# Altium PCB Localization.PcbDoc (continued)
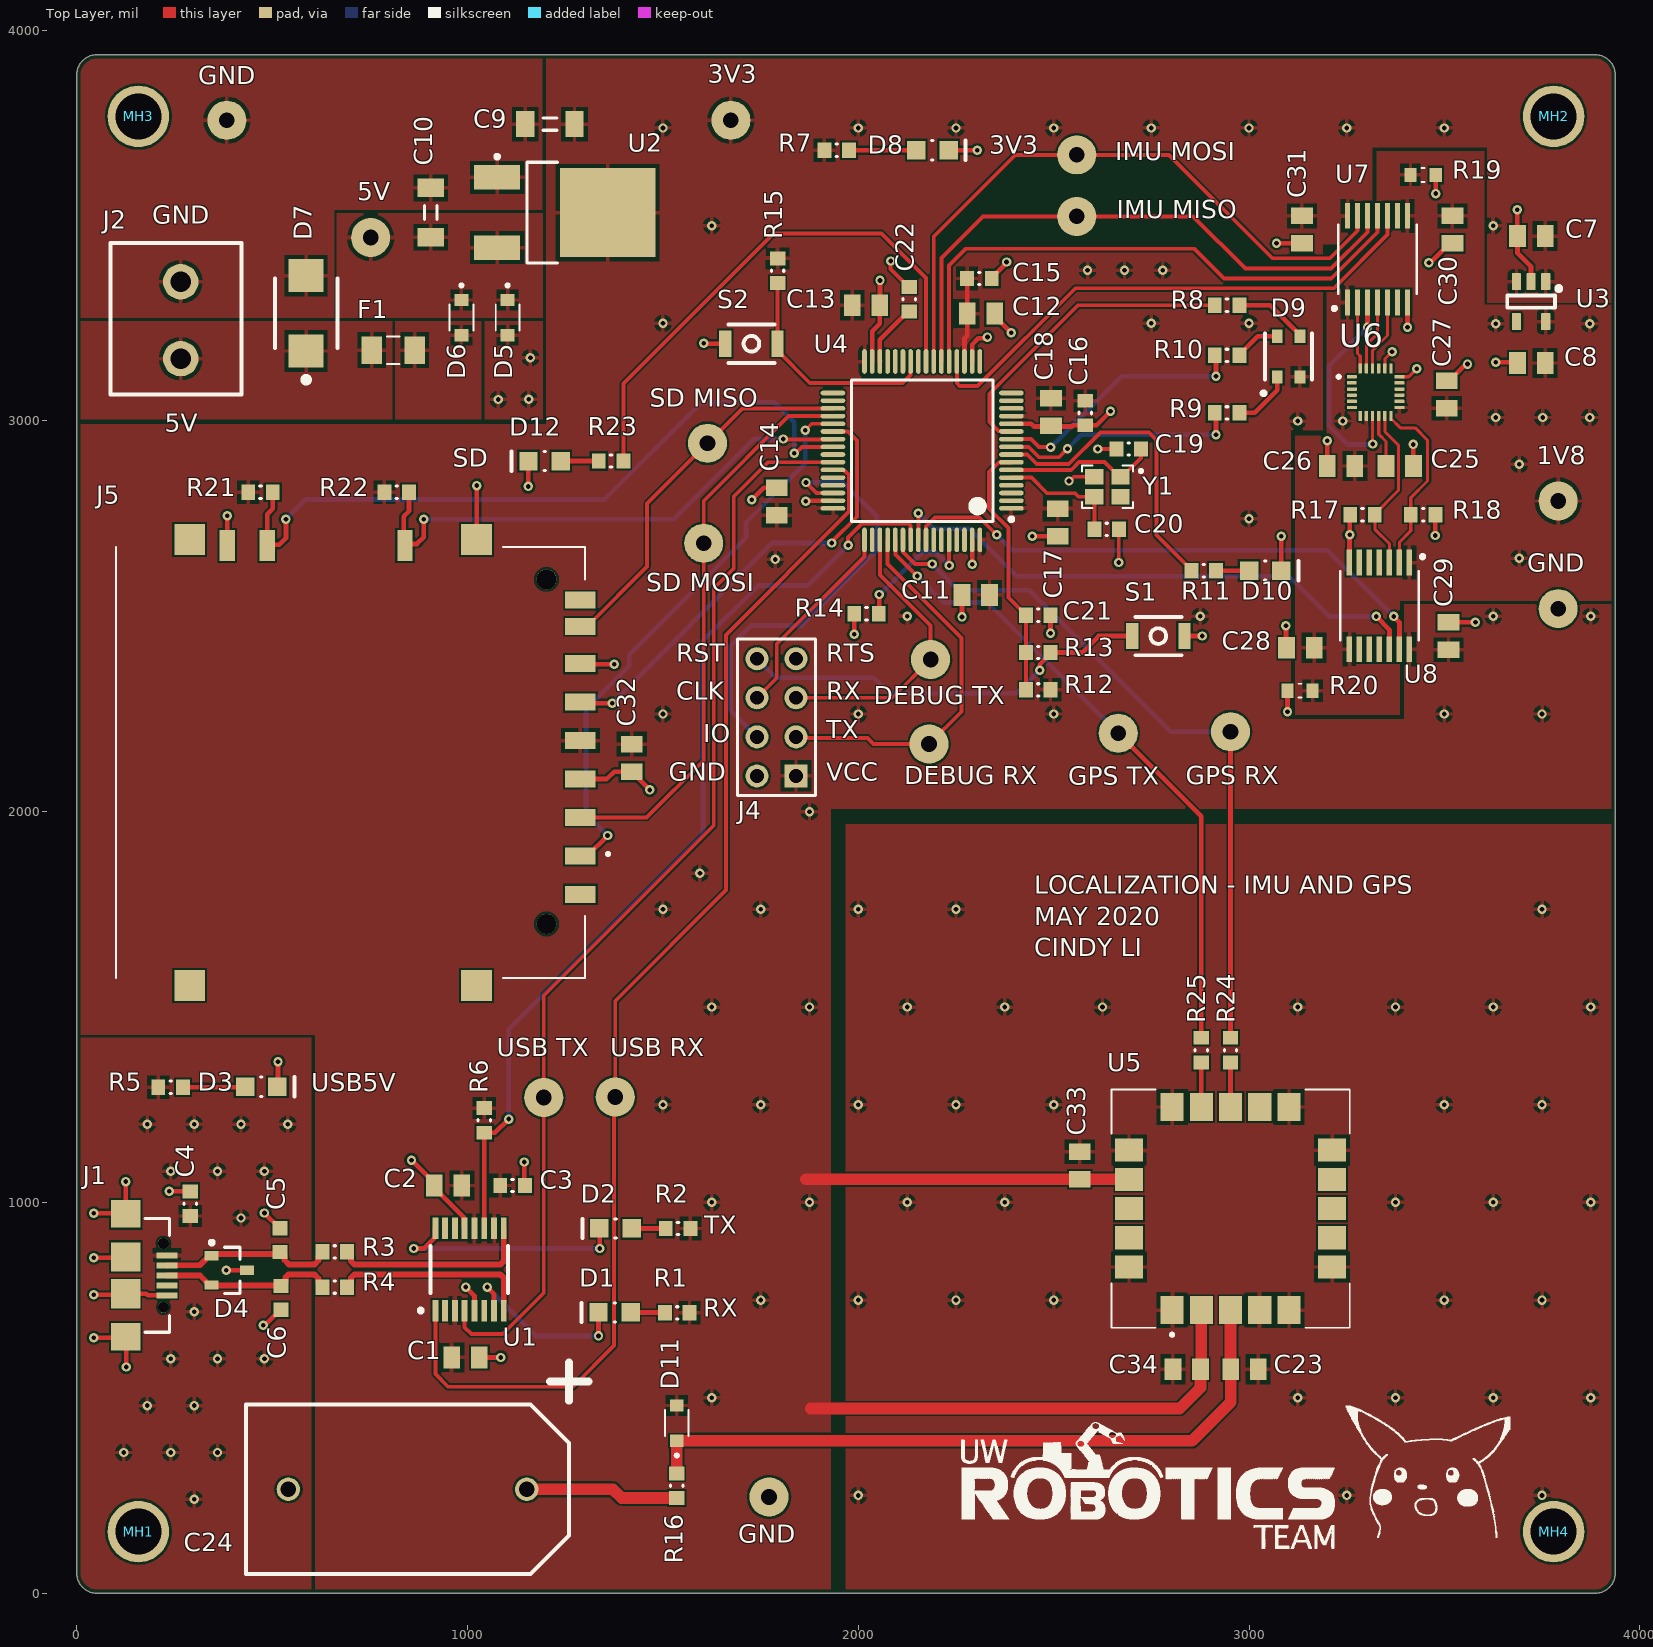
[diagram p0: Top Layer view]
## Part data (continued)
R7 R9 R11 R23 R24 R25: "RES SMD 120 OHM 5% 1/10W 0603", Manufacturer 1=Yageo, Manufacturer Part Number 1=RC0603JR-07120RL, Package="0603 (1608 Metric)", Supplier Part Number 1=311-120GRCT-ND, Tolerance=5%, Dimensions="0.063\" L x 0.031\" W (1.60mm x 0.80mm)", Mount="Surface Mount", Supplier 1=Digi-Key
R8 R10: "RES SMD 20 OHM 5% 1/10W 0603", Manufacturer 1=Yageo, Manufacturer Part Number 1=RC0603JR-0720RL, Package="0603 (1608 Metric)", Supplier Part Number 1=311-20GRCT-ND, Tolerance=5%, Dimensions="0.063\" L x 0.031\" W (1.60mm x 0.80mm)", Mount="Surface Mount", Supplier 1=Digi-Key
R19 R20: "RES SMD 51K OHM 5% 1/10W 0603", Manufacturer 1=Yageo, Manufacturer Part Number 1=RC0603JR-0751KL, Package="0603 (1608 Metric)", Supplier Part Number 1=311-51KGRCT-ND, Tolerance=5%, Dimensions="0.063\" L x 0.031\" W (1.60mm x 0.80mm)", Mount="Surface Mount", Supplier 1=Digi-Key
S1 S2: "Tactile Switch (Grey)", Manufacturer 1="Omron Electronics Inc-EMC Div", Manufacturer Part Number 1=B3U-1100P, Supplier Part Number 1=SW1021CT-ND, Mount="Surface Mount", Supplier 1=Digi-Key
U1: Manufacturer 1="FTDI, Future Technology Devices International Ltd", Manufacturer Part Number 1=FT230XS-R, Supplier Part Number 1=768-1135-1-ND, Supplier 1=Digi-Key
U2: "IC REG LINEAR 3.3V 1A DPAK", Current Output=1A, Manufacturer 1="ON Semiconductor", Manufacturer Part Number 1=NCP1117DT33T5G, Supplier Part Number 1=NCP1117DT33T5GOSCT-ND, Mount="Surface Mount", Supplier 1=Digi-Key
U3: "IC REG LINEAR 1.8V 250MA SOT23-5", Current Output=250mA, Manufacturer 1="Texas Instruments", Manufacturer Part Number 1=LP5907MFX-1.8/NOPB, Supplier Part Number 1=296-41463-1-ND, Mount="Surface Mount", Supplier 1=Digi-Key
U4: library part MCU_STM32F446RET6, "ARM Cortex-M4 32-bit MCU+FPU, 512 KB Flash, 128 KB Internal RAM, 50 I/Os, 64-Pin LQFP, -40 to 85 degC, Tray", I/Os (High Current)=50, Operating Frequency(F) (Processor speed) (MHz)=180, Package Description=LQFP64, Package Reference="64-Pin Low-profile Quad Flat Package, Body 10 x 10 mm, Pitch 0.5 mm", Supplier Part Number 1=497-15376-ND, Supply Voltage(Vcc) min (V)=1.7, ComponentLink1Description="Manufacturer URL", ComponentLink1URL=http://www.st.com/, ComponentLink2Description=Datasheet, ComponentLink2URL=http://www.st.com/st-web-ui/static/active/en/resource/technical/document/datasheet/DM00141306.pdf, Core="ARM Cortex-M4", D/A Converter=2, DatasheetVersion="Rev. 6", FLASH Size (Prog) (kB)=512, Internal RAM Size (kB)=128, Mounting Technology="Surface Mount", Packing=Tray, Supplier 1=Digi-Key
U5: "Rf Rx Galileo 1.575GHZ/1.602GHZ", Case/Package=SMD/SMT, Frequency=1.602GHz, Manufacturer 1=u-blox, Manufacturing Part Number 1=SAM-M8Q-0-10, Max Operating Temperature=85°C, Min Operating Temperature=-40°C, Supplier Part Number 1=672-1054-1-ND, ComponentLink1Description=https://www.u-blox.com/sites/default/files/SAM-M8Q_ProductSummary_%28UBX-15027452%29.pdf?src-supplier=Digi-Key, ComponentLink1URL=https://www.u-blox.com/sites/default/files/SAM-M8Q_ProductSummary_%28UBX-15027452%29.pdf?src-supplier=Digi-Key, ComponentLink2Description=https://www.u-blox.com/sites/default/files/SAM-M8Q_DataSheet_%28UBX-16012619%29.pdf?src-supplier=Digi-Key, ComponentLink2URL=https://www.u-blox.com/sites/default/files/SAM-M8Q_DataSheet_%28UBX-16012619%29.pdf?src-supplier=Digi-Key, Data Rate=400Kbps, Interface=I2C,SPI,USB,UART, Packaging="Tape and Reel", Pricing 1="1=25.00000, 10=20.24400, 50=16.62160, 100=13.26160 (USD)", RoHS=No, Sensitivity=-165dBm, Stock 1=2191, Supplier 1=Digi-Key
U6: "IMU ACCEL/GYRO/COMPI2C/SPI 24QFN", Case/Package=QFN, Manufacturer="TDK InvenSense", Manufacturer Part Number=ICM-20948, Max Operating Temperature=85°C, Min Operating Temperature=-40°C, Supplier Part Number 1=1428-1123-1-ND, Category="Inertial Measurement Units (IMUs)", ComponentLink1Description=http://www.farnell.com/datasheets/2632662.pdf?src-supplier=Farnell, ComponentLink1URL=http://www.farnell.com/datasheets/2632662.pdf?src-supplier=Farnell, ComponentLink2Description=https://www.invensense.com/wp-content/uploads/2016/06/App-Note-eMD-20x48-User-Guide.pdf?src-supplier=Digi-Key, ComponentLink2URL=https://www.invensense.com/wp-content/uploads/2016/06/App-Note-eMD-20x48-User-Guide.pdf?src-supplier=Digi-Key, ComponentLink3Description=https://www.invensense.com/wp-content/uploads/2016/06/App-Note-eMD-20x48-User-Guide.pdf?src-supplier=Avnet+Europe, ComponentLink3URL=https://www.invensense.com/wp-content/uploads/2016/06/App-Note-eMD-20x48-User-Guide.pdf?src-supplier=Avnet+Europe, ComponentLink4Description=http://www.farnell.com/datasheets/2632662.pdf?src-supplier=Element14, ComponentLink4URL=http://www.farnell.com/datasheets/2632662.pdf?src-supplier=Element14, ComponentLink5Description=https://www.invensense.com/wp-content/uploads/2016/06/App-Note-eMD-20x48-User-Guide.pdf?src-supplier=Avnet, ComponentLink5URL=https://www.invensense.com/wp-content/uploads/2016/06/App-Note-eMD-20x48-User-Guide.pdf?src-supplier=Avnet, ComponentLink6Description=https://www.invensense.com/wp-content/uploads/2016/06/App-Note-eMD-20x48-User-Guide.pdf?src-supplier=Component+Distributors+Inc., ComponentLink6URL=https://www.invensense.com/wp-content/uploads/2016/06/App-Note-eMD-20x48-User-Guide.pdf?src-supplier=Component+Distributors+Inc., Mount="Surface Mount", Output Type=SPI,I2C, Packaging="Tape and Reel", Pricing 1="1=8.04000, 5=7.09600, 10=6.26700, 25=5.08480, 50=4.49360, 100=4.37530, 500=3.66576, 1000=3.42925 (USD)", RoHS=No, Sensor Type=Accelerometer,Gyroscope,Magnetometer, Stock 1=21985, Supplier 1=Digi-Key
U7 U8: library part IC_4CH_LVL_SHIFTER, "4-Bit Bidirectional Voltage-Level Translator with Auto Direction Sensing / VCCA < VCCB, see datasheet", Manufacturer 1="Texas Instruments", PACKAGE_DESIGNATOR=PW, Supplier Part Number 1=296-21929-1-ND, Datasheet_URL=http://www.ti.com/lit/gpn/TXB0104, FAMILY_NAME="AUTO DIRECTION SENSING DUAL SUPPLY TRANSLATOR", GENERIC_PART_NUMBER=TXB0104, INDUSTRY_STD_PKG_TYPE=TSSOP, Manufacturer Part Number 1=TXB0104PWR, PIN_COUNT=14, Supplier 1=Digi-Key, VCCA MAX="3.6 V", VCCB MAX="5.5 V"
Y1: "CRYSTAL 25.0000MHZ 12PF SMD", Case/Package=SMD/SMT, ESR (Equivalent Series Resistance)=80R, Frequency=25MHz, Frequency Stability=15ppm, Frequency Tolerance=10ppm, Load Capacitance=12pF, Manufacturer 1="Kyocera AVX", Manufacturer Part Number 1=CX2520DB25000H0FLJC1, Max Operating Temperature=85°C, Min Operating Temperature=-30°C, Ratings=AEC-Q200, Supplier Part Number 1=1253-1724-1-ND, ComponentLink1Description=https://media.digikey.com/pdf/Data%20Sheets/AVX%20PDFs/CX2520DB_USY1M-H1-16429-00_Spec.pdf?src-supplier=Digi-Key, ComponentLink1URL=https://media.digikey.com/pdf/Data%20Sheets/AVX%20PDFs/CX2520DB_USY1M-H1-16429-00_Spec.pdf?src-supplier=Digi-Key, Height=0.022inch, Length=0.098inch, Mount="Surface Mount", Packaging="Tape and Reel", Pricing 1="1=0.72000, 10=0.63300, 50=0.59120, 100=0.52250, 500=0.49500, 1000=0.41250 (USD)", RoHS=Yes, Stock 1=11741, Supplier 1=Digi-Key, Width=0.079inch

## Via types
v1: diameter 24, hole 12, Top Layer to Bottom Layer, 187 vias

## Nets (pads, with @x,y where several pads share a name; then routed paths per layer and width w, separated by ;. In a path a pad name is that pad's centre, name@x,y a point inside that pad or via, vN(x,y) a via of type N, cw(c..) or ccw(c..) an arc to the next point about the centre after c; other vN are vias at no path point)
1V8: 1V8.1 C8.2 C26.2 C27.2 C28.2 C30.2 R19.2 R20.2 U3.5 U6.8 U6.13 U7.1 U7.8 U8.1 U8.8
  other v1: 3691.87,2649.02 3691.87,2889.02 3240.16,3000 3631.87,3009.02 3751.87,3009.02 3871.87,3009.02 3631.87,3249.02 3871.87,3249.02
3V3: 3V3.1 C1.2 C2.2 C3.1 C7.2 C9.2 C11.2 C12.2 C13.2 C14.2 C15.2 C16.2 C17.2 C18.2 C29.2 C31.2 C32.2 C33.2 C34.2 D9.4 D11.1 J4.1 J5.4 R1.2 R2.2 R6.2 R7.2 R12.2 R15.1 R21.2 R22.2 U1.3 U1.10 U1.12 U2.2 U3.1 U3.3 U4.1 U4.13 U4.19 U4.32 U4.48 U4.64 U5.2 U5.17 U7.14 U8.14 | length 2261.9
  Top Layer w12: U4.19 2271.76,3211.5 2278.53,3218.27 C12.2 C15.2
  Top Layer w30: 1866.14,1059.06 1866.34,1059.25 C33.2 2692.72,1059.25 U5.17 ; 1877.95,472.44 2822.83,472.44 2875.79,525.39 C34.2 2877.95,575 U5.2
  other v1: 1625,500 1750,750 1625,1000 1875,1000 1500,1250 1750,1250 1625,1500 1875,1500 1500,1750 1750,1750 1594.64,1842.52 1875,2000 1500,2250 2000,2250 2500,2250 3500,2250 3750,2250 2125,2500 2875,2500 3625,2500 3875,2500 1787.56,2645.67 3000,2750 3125,3000 1500,3250 2750,3250 3000,3250 2586.77,3385.83 2681.26,3385.83 2779.53,3385.76 1625,3500 3625,3500 1500,3750 2000,3750 2250,3750 2500,3750 2750,3750 3000,3750 3250,3750 3500,3750
5V: 5V.1 C10.2 D5.2 D6.2 U2.3 | length 9.8
  Top Layer w12: C10.2@895.67,3470.47 C10.2
5V_CON: D7.1 F1.1 J2.2
BUTTON: R15.2 S2.1 U4.26 | length 565
  Top Layer w10: R15.2 S2.1 1793.42,3179.89 1875.71,3097.6 2113.33,3097.6 2133.62,3117.89 2133.62,3126.58 U4.26@2133.87,3126.83
DEBUG_RX: "DEBUG RX.1" J4.2 U4.52 | length 982.9
  Top Layer w10: J4.2 1843.18,2188.98 2023.62,2188.98 2039.37,2173.23 2181.1,2173.23 2263.78,2255.91 2263.78,2444.88 2074.91,2633.75 U4.52
DEBUG_TX: "DEBUG TX.1" J4.3 U4.51 | length 744.7
  Top Layer w10: J4.3 2086.81,2291.54 2185.04,2389.76 2185.04,2476.38 2055.23,2606.19 U4.51
GND: C1.1 C2.1 C3.2 C4.2 C5.1 C6.2 C7.1 C8.1 C9.1 C10.1 C11.1 C12.1 C13.1 C14.1 C15.1 C16.1 C17.1 C18.1 C19.1 C20.1 C21.1 C22.1 C23.1 C24.2 C25.2 C26.1 C27.1 C28.1 C29.1 C30.1 C31.1 C32.1 C33.1 C34.1 D3.2 D4.3 D7.2 D8.2 D10.2 D12.2 GND.1 J1.5 J1.Shell J2.1 J4.5 J5.3 J5.6 J5.12 J5.13 R14.2 R17.1 R18.1 R19.1 R20.1 S1.1 S2.2 U1.5 U1.13 U2.1 U3.2 U4.12 U4.18 U4.31 U4.47 U4.63 U5.1 U5.4 U5.5 U5.6 U5.10 U5.11 U5.15 U5.16 U5.20 U6.18 U6.20 U7.7 U8.7 Y1.2 | length 4731.7
  Top Layer w8: U6.20@3347.75,3134.77 3347.75,3158.77 v1(3366.14,3177.17) ; U6.18@3384.95,3113.31 3408.59,3113.31 v1(3429.13,3133.86)
  Top Layer w10: v1(2082.68,3409.45) 2082.68,3388.88 2128.23,3343.33 C22.1 ; v1(2539.37,2846.46) 2541.48,2846.46 2552.23,2857.2 Y1.2 ; v1(2613.19,2928.15) C19.1 ; C20.1@2663.39,2720.47 C20.1@2664.37,2719.49 ; v1(2666.69,2637.8) 2666.69,2721.8 C20.1
  Top Layer w12: v1(43.31,653.54) 122.76,653.54 125,655.79 125.98,654.8 v1(125.98,578.74) ; v1(43.31,763.78) 122.76,763.78 125,766.02 177.24,766.02 181.18,762.09 J1.5 ; v1(43.31,858.27) 122.76,858.27 J1.Shell@125,860.51 ; v1(43.31,972.44) 123.31,972.44 125,970.75 v1(125,1053.27) ; v1(236,1028.77) 289.5,1028.77 C4.2 ; v1(382.02,826.24) D4.3 ; v1(385,2757.48) J5.12 J5.12 ; v1(477.02,685.22) 481.04,685.22 C6.2@521.04,725.22 ; v1(480,972.8) C5.1@519.02,933.78 ; D3.2 509.84,1299.34 514.84,1304.34 v1(514.84,1359.88) ; v1(856.54,1108.27) 914.84,1049.96 C2.1 914.84,1036.57 932.1,1019.31 991,960.42 991,934.77 U1.13 ; v1(995,783.27) 1017.5,760.77 U1.5 ; J5.13 1025,2699.02 1023.62,2700.39 v1(1023.62,2834.65) ; C1.1 1030.34,603.16 v1(1085,603.16) ; v1(1145,1103.27) 1145,1044.76 C3.2 ; v1(1155,2832.48) D12.2@1155,2896.65 ; J5.3 1356.18,2083.66 1375,2102.48 1419.76,2102.48 v1(1466.54,2055.71) ; J5.6 1290.04,2377.48 v1(1375,2377.48) ; v1(1604.33,3198.82) 1605.55,3197.6 S2.2 ; v1(1727.44,2798.62) 1758.11,2829.29 C14.1 ; v1(1865.39,2794.52) 1866.8,2795.93 1935.05,2795.93 U4.47 ; v1(1989.4,2453.87) 1989.45,2453.93 1989.45,2506.74 R14.2 ; U4.31 2035.54,3229.81 2055.03,3249.29 C13.1 ; C13.1@2055.5,3303.19 v1(2055.5,3359.77) ; C13.1@2055.78,3295.28 C13.1 ; C13.1@2061.36,3302.36 C13.1 ; D8.2 v1(2304.65,3693.11) ; v1(2265.27,2498.51) C11.1 ; v1(2291.34,2633.48) 2291.34,2633.86 2291.39,2633.91 U4.63 U4.63 ; U4.18 2291.45,3195.71 2307.44,3211.71 2327.44,3211.71 v1(2330.5,3214.77) ; C15.1 2341.53,3366.74 2379.48,3404.69 v1(2379.48,3407.04) ; C12.1 2349.01,3268.07 2391.14,3225.94 v1(2391.29,3225.94) ; U4.12 2442.63,2992.88 2449.51,2986 2491.24,2986 C18.1 2494.76,2986 2546.73,2986 2549.68,2988.94 2609.68,2988.94 v1(2645.5,3024.77) ; v1(2445.5,2704.77) 2510.27,2704.77 C17.1 ; v1(2492,2457) C21.1 ; S1.1 2834.95,2449.77 v1(2880.5,2449.77) ; v1(3070.5,3454.77) 3135.11,3454.77 C31.1 ; v1(3082.68,2704.72) 3082.68,2617.35 3082.5,2617.18 D10.2 ; v1(3094.49,2475.77) 3094.49,2421.14 C28.1 ; R20.1@3095.5,2312.48 R20.1 3098.32,2309.66 3098.32,2256.01 v1(3098.43,2255.91) ; C26.1 3200.5,2885 v1(3200.5,2949.77) ; U8.7 3257.29,2637.87 3257.29,2708.55 v1(3257.5,2708.77) 3257.5,2758.26 R17.1 ; v1(3405.5,3239.77) 3405.56,3239.83 U7.7 U7.7 ; v1(3420.73,2940) 3420.73,2885.01 C25.2 ; v1(3460.5,3404.77) 3464.05,3404.77 3513.81,3454.53 C30.1 ; v1(3476.5,2706.77) 3476.5,2759.27 R18.1 ; v1(3477.79,3582.05) R19.1 ; C27.1 3512.71,3103.11 3552.97,3143.37 3556.76,3143.37 v1(3559.06,3145.67) ; C29.1 3510.74,2484.77 v1(3579.5,2484.77) ; v1(3631.45,3150.71) 3684.99,3150.71 C8.1 ; v1(3686.45,3540.71) 3686.45,3474.06 C7.1 3687.31,3429.85 3721.92,3395.24 U3.2
  other v1: 2000,250 3250,250 3750,250 3125,500 3375,500 3625,500 3875,500 2000,750 2250,750 2500,750 3500,750 3750,750 2125,1000 2375,1000 3375,1000 3625,1000 3875,1000 2000,1250 2250,1250 2500,1250 3500,1250 3750,1250 2125,1500 2375,1500 2625,1500 3125,1500 3375,1500 3625,1500 3875,1500 2000,1750 2250,1750 3750,1750
GPS_RX: "GPS RX.1" R24.2 U4.54 | length 1843.6
  Top Layer w10: U4.54 2114.38,2695.54 2114.38,2664.31 2144.83,2633.86 v1(2188.98,2633.86)
  Top Layer w12: R24.2 2952.76,2204.72
  Bottom Layer w12: v1(2188.98,2633.86) 2255.91,2566.93 2437.01,2566.93 2799.21,2204.72 2952.76,2204.72
GPS_TX: "GPS TX.1" R25.2 U4.53 | length 1665
  Top Layer w10: U4.53 2094.69,2695.54 2094.69,2658.54 2150.02,2603.21 v1(2150.6,2603.21)
  Top Layer w12: 2665.35,2200.79 2877.95,1988.19 R25.2
  Bottom Layer w12: v1(2150.6,2603.21) 2218.38,2535.43 2330.71,2535.43 2665.35,2200.79
IMU_CS_1V8: U6.22 U7.5 | length 184.2
  Top Layer w8: U6.22@3316.25,3134.77 3316.25,3180.52 3354.44,3218.7 U7.5
IMU_CS_3V3: U4.20 U7.10 | length 1369.1
  Top Layer w10: U4.20 2252.08,3126.92 2252.42,3126.58 2252.42,3096.8 2259.45,3089.77 2305.5,3089.77 2555.5,3339.77 3217.07,3339.77 3354.44,3477.13 U7.10
IMU_FSYNC_1V8: R17.2 U6.11 U8.3 | length 416.6
  Top Layer w8: 3348,2999.22 3348,2972.71 3382.76,2937.94 3382.76,2822.5 3322,2761.74 R17.2 3322,2723.09 3359.43,2685.66 U8.3
IMU_FSYNC_3V3: U4.56 U8.12 | length 1447.7
  Top Layer w10: v1(2153.54,2763.78) 2153.54,2695.74 U4.56
  Top Layer w12: v1(3325.5,2499.77) 3359.44,2465.83 U8.12
  Bottom Layer w12: v1(2153.54,2763.78) 2192.91,2724.41 2283.46,2724.41 2405.51,2602.36 3102.36,2602.36 3204.96,2499.77 v1(3325.5,2499.77)
IMU_INT_1V8: R18.2 U6.12 U8.2 | length 459
  Top Layer w8: U6.12@3363.49,3006.18 3387.4,2982.28 3425.2,2982.28 3456.8,2950.68 3456.8,2846.57 3414.01,2803.77 R18.2 3414.01,2718.86 3385.03,2689.88 U8.2
IMU_INT_3V3: U4.57 U8.13 | length 1436.7
  Top Layer w10: U4.57 2173.34,2730.34 2196.48,2753.48 2309.52,2753.48 v1(2354.33,2708.66)
  Top Layer w12: v1(3370.5,2499.77) 3385.03,2485.24 U8.13
  Bottom Layer w12: v1(2354.33,2708.66) 2393.7,2669.29 3200.79,2669.29 3370.31,2499.77 v1(3370.5,2499.77)
IMU_SCK_1V8: U6.23 U7.4 | length 180.1
  Top Layer w8: U6.23@3300.5,3134.77 3300.5,3194.71 3328.85,3223.05 U7.4
IMU_SCK_3V3: U4.21 U7.11 | length 1482.4
  Top Layer w10: U4.21 2232.39,3397.75 2275.59,3440.94 2859.32,3440.94 2935.5,3364.77 3210.5,3364.77 3328.85,3483.11 U7.11
IMU_SDI_1V8: U6.24 U7.2 | length 171.3
  Top Layer w8: U7.2 3277.67,3172.6 3284.75,3165.52 U6.24@3284.75,3134.77
IMU_SDI_3V3: "IMU MOSI.1" U4.23 U7.13 | length 1668.1
  Top Layer w10: U4.23 2193.02,3472.55 2401.57,3681.1 2559.06,3681.1 2795.28,3681.1 3059.77,3416.61 3207.34,3416.61 3277.67,3486.93 U7.13
IMU_SDO_1V8: U6.9 U7.3 | length 560.4
  Top Layer w8: U6.9@3315.94,3012.99 3315.94,2941.93 v1(3316.93,2940.94)
  Top Layer w12: U7.3@3302.88,3303.52 U7.3 3303.2,3303.08 3303.2,3240.21 v1(3303.15,3240.16)
  Bottom Layer w12: v1(3303.15,3240.16) 3204.72,3141.73 3204.72,2988.19 3253.26,2939.66 v1@3316.25,2939.66
IMU_SDO_3V3: "IMU MISO.1" U4.22 U7.12 | length 1535.6
  Top Layer w10: U4.22 2212.71,3416.97 2319.36,3523.62 2856.65,3523.62 2990.5,3389.77 3210.05,3389.77 3303.26,3482.98 U7.12
LED: R11.1 U4.8 | length 794.9
  Top Layer w10: U4.8 2432.32,2914.14 2456.69,2889.76 2538.73,2889.76 2619.63,2970.66 2743.9,2970.66 2762.74,2951.82 2762.74,2708.12 2852.47,2618.39 R11.1
LED_B: R8.2 U4.11 | length 809.4
  Top Layer w10: U4.11 2391.11,2973.92 2358.95,2973.92 2335.5,2997.37 2335.5,3069.77 2562.05,3296.31 R8.2
LED_G: R10.2 U4.10 | length 661.8
  Top Layer w10: U4.10 2441.7,2953.51 2462.13,2933.07 v1(2492.13,2933.07)
  Top Layer w12: R10.2 2915.5,3164.6 v1(2915.5,3114.77)
  Bottom Layer w12: v1(2492.13,2933.07) 2673.82,3114.77 v1(2915.5,3114.77)
LED_R: R9.1 U4.9 | length 615.9
  Top Layer w10: U4.9 2436.26,2933.82 2462.94,2907.13 2513.43,2907.13 v1(2535.43,2929.13)
  Top Layer w12: R9.1 2915.5,3017.49 v1(2915.5,2964.77)
  Bottom Layer w12: v1(2535.43,2929.13) 2571.07,2964.77 v1(2915.5,2964.77)
LED_RX: D1.2 U1.7 | length 464
  Top Layer w12: v1(1050,783.27) 1067.5,765.77 U1.7 ; v1(1335,658.27) D1.2
  Bottom Layer w12: v1(1050,783.27) 1175,658.27 v1(1335,658.27)
LED_TX: D2.2 U1.16 | length 619.8
  Top Layer w12: v1(862.2,881.89) 888.32,881.89 916,909.57 916,931.77 U1.16 ; D2.2 1335,930.94 1338.58,927.36 v1(1338.58,881.89)
  Bottom Layer w12: v1(862.2,881.89) v1(1338.58,881.89)
NetC19_2: C19.2 U4.6 Y1.1 | length 398
  Top Layer w10: U4.6 2544.94,2874.76 2564.86,2894.68 2629.69,2894.68 2667.17,2857.2 Y1.1 2675.04,2857.2 2723.43,2905.59 C19.2
NetC20_2: C20.2 U4.5 Y1.3 | length 316.3
  Top Layer w10: U4.5 2443.15,2855.08 2483.27,2814.96 2554.48,2814.96 2563.41,2806.02 Y1.3 2604.17,2722.6 C20.2
NetC21_2: C21.2 R12.1 R13.2 U4.7 | length 663.9
  Top Layer w10: U4.7 2391.11,2893.72 2359.46,2893.72 2334.75,2869.02 2334.75,2775.48 2383.97,2726.27 2383.97,2548 C21.2 R13.2 R12.1
NetC22_2: C22.2 U4.30 | length 160.7
  Top Layer w12: U4.30@2055.57,3152.67 U4.30 2055.23,3207.33 2128.23,3280.33 C22.2
NetC24_1: C24.1 R16.2 | length 393.1
  Top Layer w30: C24.1 1372.05,265.75 1394.37,243.43 R16.2
NetC25_1: C25.1 U6.10 | length 122.1
  Top Layer w8: 3332,2999.22 3332,2966.08 3350.5,2947.57 C25.1
NetD1_1: D1.1 R1.1 | length 87.6
  Top Layer w12: D1.1 1503.84,718.27 R1.1
NetD2_1: D2.1 R2.1 | length 87.2
  Top Layer w12: D2.1 R2.1
NetD3_1: D3.1 R5.1 | length 159.7
  Top Layer w12: R5.1 429.48,1294.88 D3.1
NetD6_1: D6.1 F1.2 | length 2
  Top Layer w12: D6.1@982.28,3219.13 D6.1
NetD8_1: D8.1 R7.1 | length 172.2
  Top Layer w12: R7.1 D8.1
NetD9_1: D9.1 R9.2 | length 155
  Top Layer w12: R9.2 3014.17,3020.72 3072.14,3078.69 D9.1
NetD9_2: D9.2 R10.1 | length 118.5
  Top Layer w12: R10.1 2975.27,3169.8 3022.63,3217.16 D9.2
NetD9_3: D9.3 R8.1 | length 189.6
  Top Layer w12: R8.1 3054.21,3296.31 3130.21,3220.31 D9.3
NetD10_1: D10.1 R11.2 | length 82.2
  Top Layer w12: R11.2 2915.78,2616.74 D10.1@2997.54,2616.74
NetD12_1: D12.1 R23.2 | length 97.2
  Top Layer w12: D12.1 R23.2
NetR14_1: R14.1 U4.60 | length 354.8
  Top Layer w10: v1(2232.39,2630.03) U4.60
  Top Layer w12: R14.1 2051.18,2508.11 2054,2510.93 v1(2054,2556)
  Bottom Layer w12: v1(2054,2556) 2056,2556 2165.35,2665.35 2197.07,2665.35 v1(2232.39,2630.03)
NetR24_1: R24.1 U5.13 | length 114.2
  Top Layer w12: U5.13 R24.1
NetR25_1: R25.1 U5.14 | length 114.2
  Top Layer w12: U5.14 R25.1
nRESET: J4.8 R13.1 S1.2 | length 1069.3
  Top Layer w12: v1(2464.57,2362.2) 2464.57,2376.69 2492.13,2404.25 2490.5,2405.87 R13.1 2572.65,2407.37 2614.86,2449.57 S1.2
  Bottom Layer w12: J4.8 1789.32,2342.84 2039.05,2342.84 2078.74,2303.15 2405.51,2303.15 v1(2464.57,2362.2)
SD_CD: J5.10 R22.1 U4.39 | length 1378.3
  Top Layer w10: v1(1808,2954) 1809.24,2952.76 1934.4,2952.76 U4.39 U4.39@1935.05,2953.41
  Top Layer w12: J5.10@836.61,2700.79 836.61,2755.91 850,2769.29 R22.1 ; J5.10@839.76,2700.79 J5.10 844.04,2685.38 870.42,2685.38 887.46,2702.42 v1(887.46,2748.48)
  Bottom Layer w12: v1(887.46,2748.48) 1528.01,2748.48 1733.53,2954 v1(1808,2954)
SD_CS: J5.1 U4.37 | length 1461.8
  Top Layer w10: v1(1864.29,2976.38) 1880.79,2992.88 U4.37
  Top Layer w12: J5.1 1306.3,1886.81 1358.27,1938.78 v1(1358.27,1938.98)
  Bottom Layer w12: v1(1358.27,1938.98) 1303.15,1994.09 1303.15,2263.78 1413.39,2374.02 1413.39,2401.57 1712.6,2700.79 1712.6,2740.16 1864.29,2891.85 v1(1864.29,2976.38)
SD_LED: R23.1 U4.24 | length 1393.1
  Top Layer w10: R23.1 1398.66,3095.51 1783.46,3480.32 2059.06,3480.32 2173.34,3366.03 U4.24
SD_MISO: "SD MISO.1" J5.7 U4.35 | length 971.7
  Top Layer w10: J5.7 1306.3,2474.41 1459.64,2627.75 1459.64,2788.38 1703.51,3032.25 U4.35
SD_MOSI: "SD MOSI.1" J5.2 U4.36 | length 1461
  Top Layer w10: J5.2 1458.15,1985.24 1604.33,2131.41 1604.33,2795.28 1821.62,3012.56 U4.36
SD_SCK: J5.5 U4.38 | length 1174.3
  Top Layer w10: v1(1931.9,2687.81) 1931.9,2690.58 1996.25,2754.93 1996.25,2950.27 1973.33,2973.19 U4.38
  Top Layer w12: J5.5 1291.61,2277.48 v1(1370,2277.48)
  Bottom Layer w12: v1(1370,2277.48) 1780.33,2687.81 v1(1931.9,2687.81)
SD_WP: J5.11 R21.1 U4.40 | length 1876.7
  Top Layer w10: v1(1836.33,2917.52) 1839.13,2917.52 1855.44,2933.82 U4.40
  Top Layer w12: R21.1 501.5,2775.14 487.4,2761.04 487.4,2700.79 J5.11 489.71,2683.41 518.06,2683.41 535,2700.35 v1(535,2748.39)
  Bottom Layer w12: v1(535,2748.39) 585.83,2799.21 1350.39,2799.21 1598.43,3047.24 1785.91,3047.24 1836.33,2996.82 v1(1836.33,2917.52)
SWD_CLK: J4.7 U4.49 | length 518.1
  Top Layer w10: J4.7 1791.34,2342.26 1791.34,2429.13 2015.86,2653.65 U4.49
SWD_IO: J4.6 U4.46 | length 1121.3
  Top Layer w10: v1(1866.14,2842.52) 1892.85,2815.81 1935.05,2815.81 U4.46
  Top Layer w12: J4.6 J4.6@1740.62,2192.46
  Bottom Layer w12: J4.6 1673.23,2258.93 1673.23,2425.2 1724.41,2476.38 1854.33,2476.38 2047.24,2669.29 2047.24,2755.91 1960.63,2842.52 v1(1866.14,2842.52)
"USB 5V": C4.1 D5.1 J1.1 R5.2 | length 1.1
  Top Layer w12: D5.1 D5.1@1103.12,3218.38
  other v1: 300,240 120,360 240,360 360,360 180,480 300,480 240,600 360,600 480,600 300,720 420,960 240,1080 360,1080 480,1080 180,1200 300,1200 420,1200 540,1200 1078.74,3055.12 1156.87,3055.73 1160.81,3162.03
USB_RESET: R6.1 U1.11 U4.55 | length 2457.9
  Top Layer w10: v1(1973.88,2681.97) 1973.88,2701.74 2009.27,2737.13 2129.01,2737.13 2133.97,2732.17 U4.55
  Top Layer w12: U1.11 R6.1 1070.06,1178.33 v1(1105,1213.27)
  Bottom Layer w12: v1(1105,1213.27) 1105,1443.58 1602.36,1940.94 1602.36,2437.01 1744.09,2578.74 1870.65,2578.74 v1(1973.88,2681.97)
USB_USART_RX: "USB RX.1" U1.1 U4.43 | length 3201.5
  Top Layer w10: U1.1 917.5,560.77 950,528.27 1270,528.27 1375,633.27 1375,1266.73 1377.95,1269.68 1377.95,1515.75 1661.42,1799.21 1661.42,2452.76 1976.64,2767.98 1976.64,2861.67 1967.33,2870.99 1965.8,2870.99 1962.92,2873.86 1962.13,2873.86 1961.23,2874.77 U4.43
USB_USART_TX: "USB TX.1" U1.4 U4.42 | length 2826.5
  Top Layer w10: U1.4 992.5,680.25 1009.48,663.27 1090,663.27 1195,768.27 1195,1268.27 1195,1529.65 1629.92,1964.57 1629.92,2570.87 1681.1,2622.05 1681.1,2807.1 1768.45,2894.45 U4.42
USBD_N: R3.2 U1.9 | length 509.7
  Top Layer w15: R3.2 701.71,863.05 701.71,849.55 710.5,840.77 1083.71,840.77 1092.5,849.55 U1.9
USBD_P: R4.2 U1.8 | length 509.7
  Top Layer w15: R4.2 701.71,793.48 701.71,806.98 710.5,815.77 1083.71,815.77 1092.5,806.98 U1.8
USBD_R_N: C5.2 D4.1 J1.2 R3.1 | length 444.7
  Top Layer w15: J1.2 230.46,839 314.42,839 343.37,867.96 C5.2@515.2,867.96 ; C5.2 520.98,872.76 531.59,862.15 531.59,852.41 543.23,840.77 607.73,840.77 618.29,851.33 618.29,863.05 R3.1
USBD_R_P: C6.1 D4.2 J1.3 R4.1 | length 446
  Top Layer w15: J1.3 230.58,813 314.91,813 340.36,787.54 C6.1@520.72,787.54 ; C6.1 523.01,786.25 533.62,796.86 533.62,806.98 542.4,815.77 607.73,815.77 618.29,805.21 618.29,793.48 R4.1
V_BCKP: C23.2 D11.2 R16.1 U5.3 | length 1777.8
  Top Layer w30: R16.1 D11.2 2854.21,389.65 2952.95,488.39 C23.2 2952.76,573.03 U5.3
pads on no net: J1.4 J1.MH1 J1.MH2 J4.4 J5. J5.8 J5.9 J5.14 J5.15 J5.16 MH1.0 MH2.0 MH3.0 MH4.0 U1.2 U1.6 U1.14 U1.15 U3.4 U4.2 U4.3 U4.4 U4.14 U4.15 U4.16 U4.17 U4.25 U4.27 U4.28 U4.29 U4.33 U4.34 U4.41 U4.44 U4.45 U4.50 U4.58 U4.59 U4.61 U4.62 U5.7 U5.8 U5.9 U5.12 U5.18 U5.19 U6.1 U6.7 U6.19 U6.21 U7.6 U7.9 U8.4 U8.5 U8.6 U8.9 U8.10 U8.11 Y1.4

## Polygon pours and split planes (outlines as drawn)
1V8 on Top Layer "Top Layer-1V8" (solid, pour order 24): 3385.83,2539.37 3937.01,2539.37 3937.01,3297.24 3602.36,3297.24 3602.36,3690.94 3326.77,3690.94 3326.77,3444.88 3198.82,3444.88 3198.82,2962.6 3118.11,2962.6 3118.11,2248.03 3385.83,2248.03
3V3 on Top Layer "NONET_L-01_P-001" (solid, remove dead copper, pour order 4): 3937.01,2531.5 3397.64,2531.5 3397.64,2236.22 3106.3,2236.22 3106.3,2976.38 3188.98,2976.38 3188.98,3452.76 3314.96,3452.76 3314.96,3700.79 3610.24,3700.79 3610.24,3303.15 3937.01,3303.15 3937.01,3937.01 1200.79,3937.01 1200.79,3651.57 1200.79,2992.13 816.93,2992.13 0,2992.13 0,1429.13 610.24,1429.13 610.24,0 1929.13,0 1929.13,2007.87 3937.01,2007.87
"USB 5V" on Top Layer "NONET_L-01_P-001" (solid, remove dead copper, pour order 8): 600.39,0 600.39,1421.26 0,1421.26 0,0
GND on Top Layer "NONET_L-01_P-001" (solid, pour order 5): 658.46,3405.51 658.46,3540.35 824.8,3540.35 1190.94,3540.35 1190.94,3641.73 1190.94,3937.01 0,3937.01 0,3263.78 658.46,3263.78
5V_CON on Top Layer "NONET_L-01_P-001" (solid, pour order 0): 0.38,3003.94 807.46,3003.94 807.46,3255.91 0.38,3255.91
GND on Top Layer "NONET_L-01_P-001" (solid, pour order 17): 3937.01,0 3937.01,1968.5 1968.5,1968.5 1968.5,0
"USB 5V" on Top Layer "NONET_L-01_P-001" (solid, pour order 20): 1043.31,3255.91 1043.31,3003.94 1192.91,3003.94 1192.91,3255.91
NetD6_1 on Top Layer "NONET_L-01_P-001" (solid, pour order 19): 814.96,3255.91 814.96,3003.94 1035.43,3003.94 1035.43,3255.91
5V on Top Layer "NONET_L-01_P-001" (solid, pour order 18): 665.35,3531.5 665.35,3263.78 1192.91,3263.78 1192.91,3531.5
1V8 on POWER "NONET_L-01_P-001" (solid, pour order 22): 3937.01,3295.28 3602.36,3295.28 3602.36,3692.91 3326.77,3692.91 3326.77,3444.88 3196.85,3444.88 3196.85,2964.57 3118.11,2964.57 3118.11,2251.97 3385.83,2251.97 3385.83,2539.37 3937.01,2539.37
3V3 on POWER "NONET_L-01_P-001" (solid, remove dead copper, pour order 16): 3937.01,3303.15 3610.24,3303.15 3610.24,3700.79 3314.96,3700.79 3314.96,3452.76 3188.98,3452.76 3188.98,2976.38 3106.3,2976.38 3106.3,2236.22 3397.64,2236.22 3397.64,2531.5 3937.01,2531.5 3937.01,2007.87 1929.13,2007.87 1929.13,0 1397.64,0 1397.64,3342.52 0,3342.52 0,3937.01 3937.01,3937.01
"USB 5V" on POWER "NONET_L-01_P-001" (solid, pour order 3): 0,0 1377.95,0 1377.95,3318.9 0,3318.9
GND on GND "NONET_L-01_P-001" (solid, pour order 6): 3937.01,1377.95 3937.01,629.92 3937.01,0 0,0 0,3937.01 3937.01,3937.01
GND on Bottom Layer "NONET_L-01_P-001" (solid, pour order 14): 3937.01,1397.64 3937.01,649.61 3937.01,0 0,0 0,3937.01 3937.01,3937.01

## Other copper
Top Layer:
  pour cut-out: 3274.28,3024.1 3369.89,3024.1 3373.96,3020.02 3373.96,3123.78 3274.28,3123.78

## Silkscreen, mask and mechanical layers (free items; w line width, h text height)
Top Overlay:
  drawing of 23 lines, arcs and shapes, not listed
  text "3V3" at 2334.65,3668.11 h80
  text "GND" at 192.91,3489.04 h80
  text "5V" at 224.41,2957.54 h80
  text "SD" at 962.17,2867.48 h80
  text "LOCALIZATION - IMU AND GPS / MAY 2020 / CINDY LI" at 2450.79,1614.17 h80
  text "USB5V" at 600.39,1269.68 h80
  text "TX" at 1605.51,904.61 h80
  text "RX" at 1603.19,691.99 h80
Bottom Overlay:
  text "GND" at 185.04,3331.56 h80
  text "5V" at 177.17,3134.71 h80
Board Outline:
  lines w10: 0,50 ccw(c50,50) 50,0 3887.01,0 ccw(c3887.01,50) 3937.01,50 3937.01,2913.39 3937.01,3887.01 ccw(c3887.01,3887.01) 3887.01,3937.01 50,3937.01 ccw(c50,3887.01) 0,3887.01 0,50

## Text inside footprints (layer, text, board x,y; h text height)
J1: Board Outline "PCB Edge" at 42.32,860.51 h16 r270
J4: Top Overlay "TX" at 1918.18,2172.17 h80; Top Overlay "RX" at 1918.18,2270.59 h80; Top Overlay "RTS" at 1918.18,2369.02 h80; Top Overlay "IO" at 1603.22,2162.33 h80; Top Overlay "CLK" at 1534.32,2270.59 h80; Top Overlay "RST" at 1534.32,2369.02 h80; Top Overlay "VCC" at 1918.18,2063.9 h80; Top Overlay "GND" at 1514.64,2063.9 h80